# Altium PCB Zynq-Video-Board.PcbDoc (part 2 of 7)
Units mm, origin at the board's own origin, x right, y up, seen from the top; angles counter-clockwise.
Board outline 140 x 100.79 mm, 4 copper layers (Top Layer, Power Layer, GND Layer, Bottom Layer), stack 1.536 mm thick; 231 components, 238 nets, 1116 pads, 595 vias.
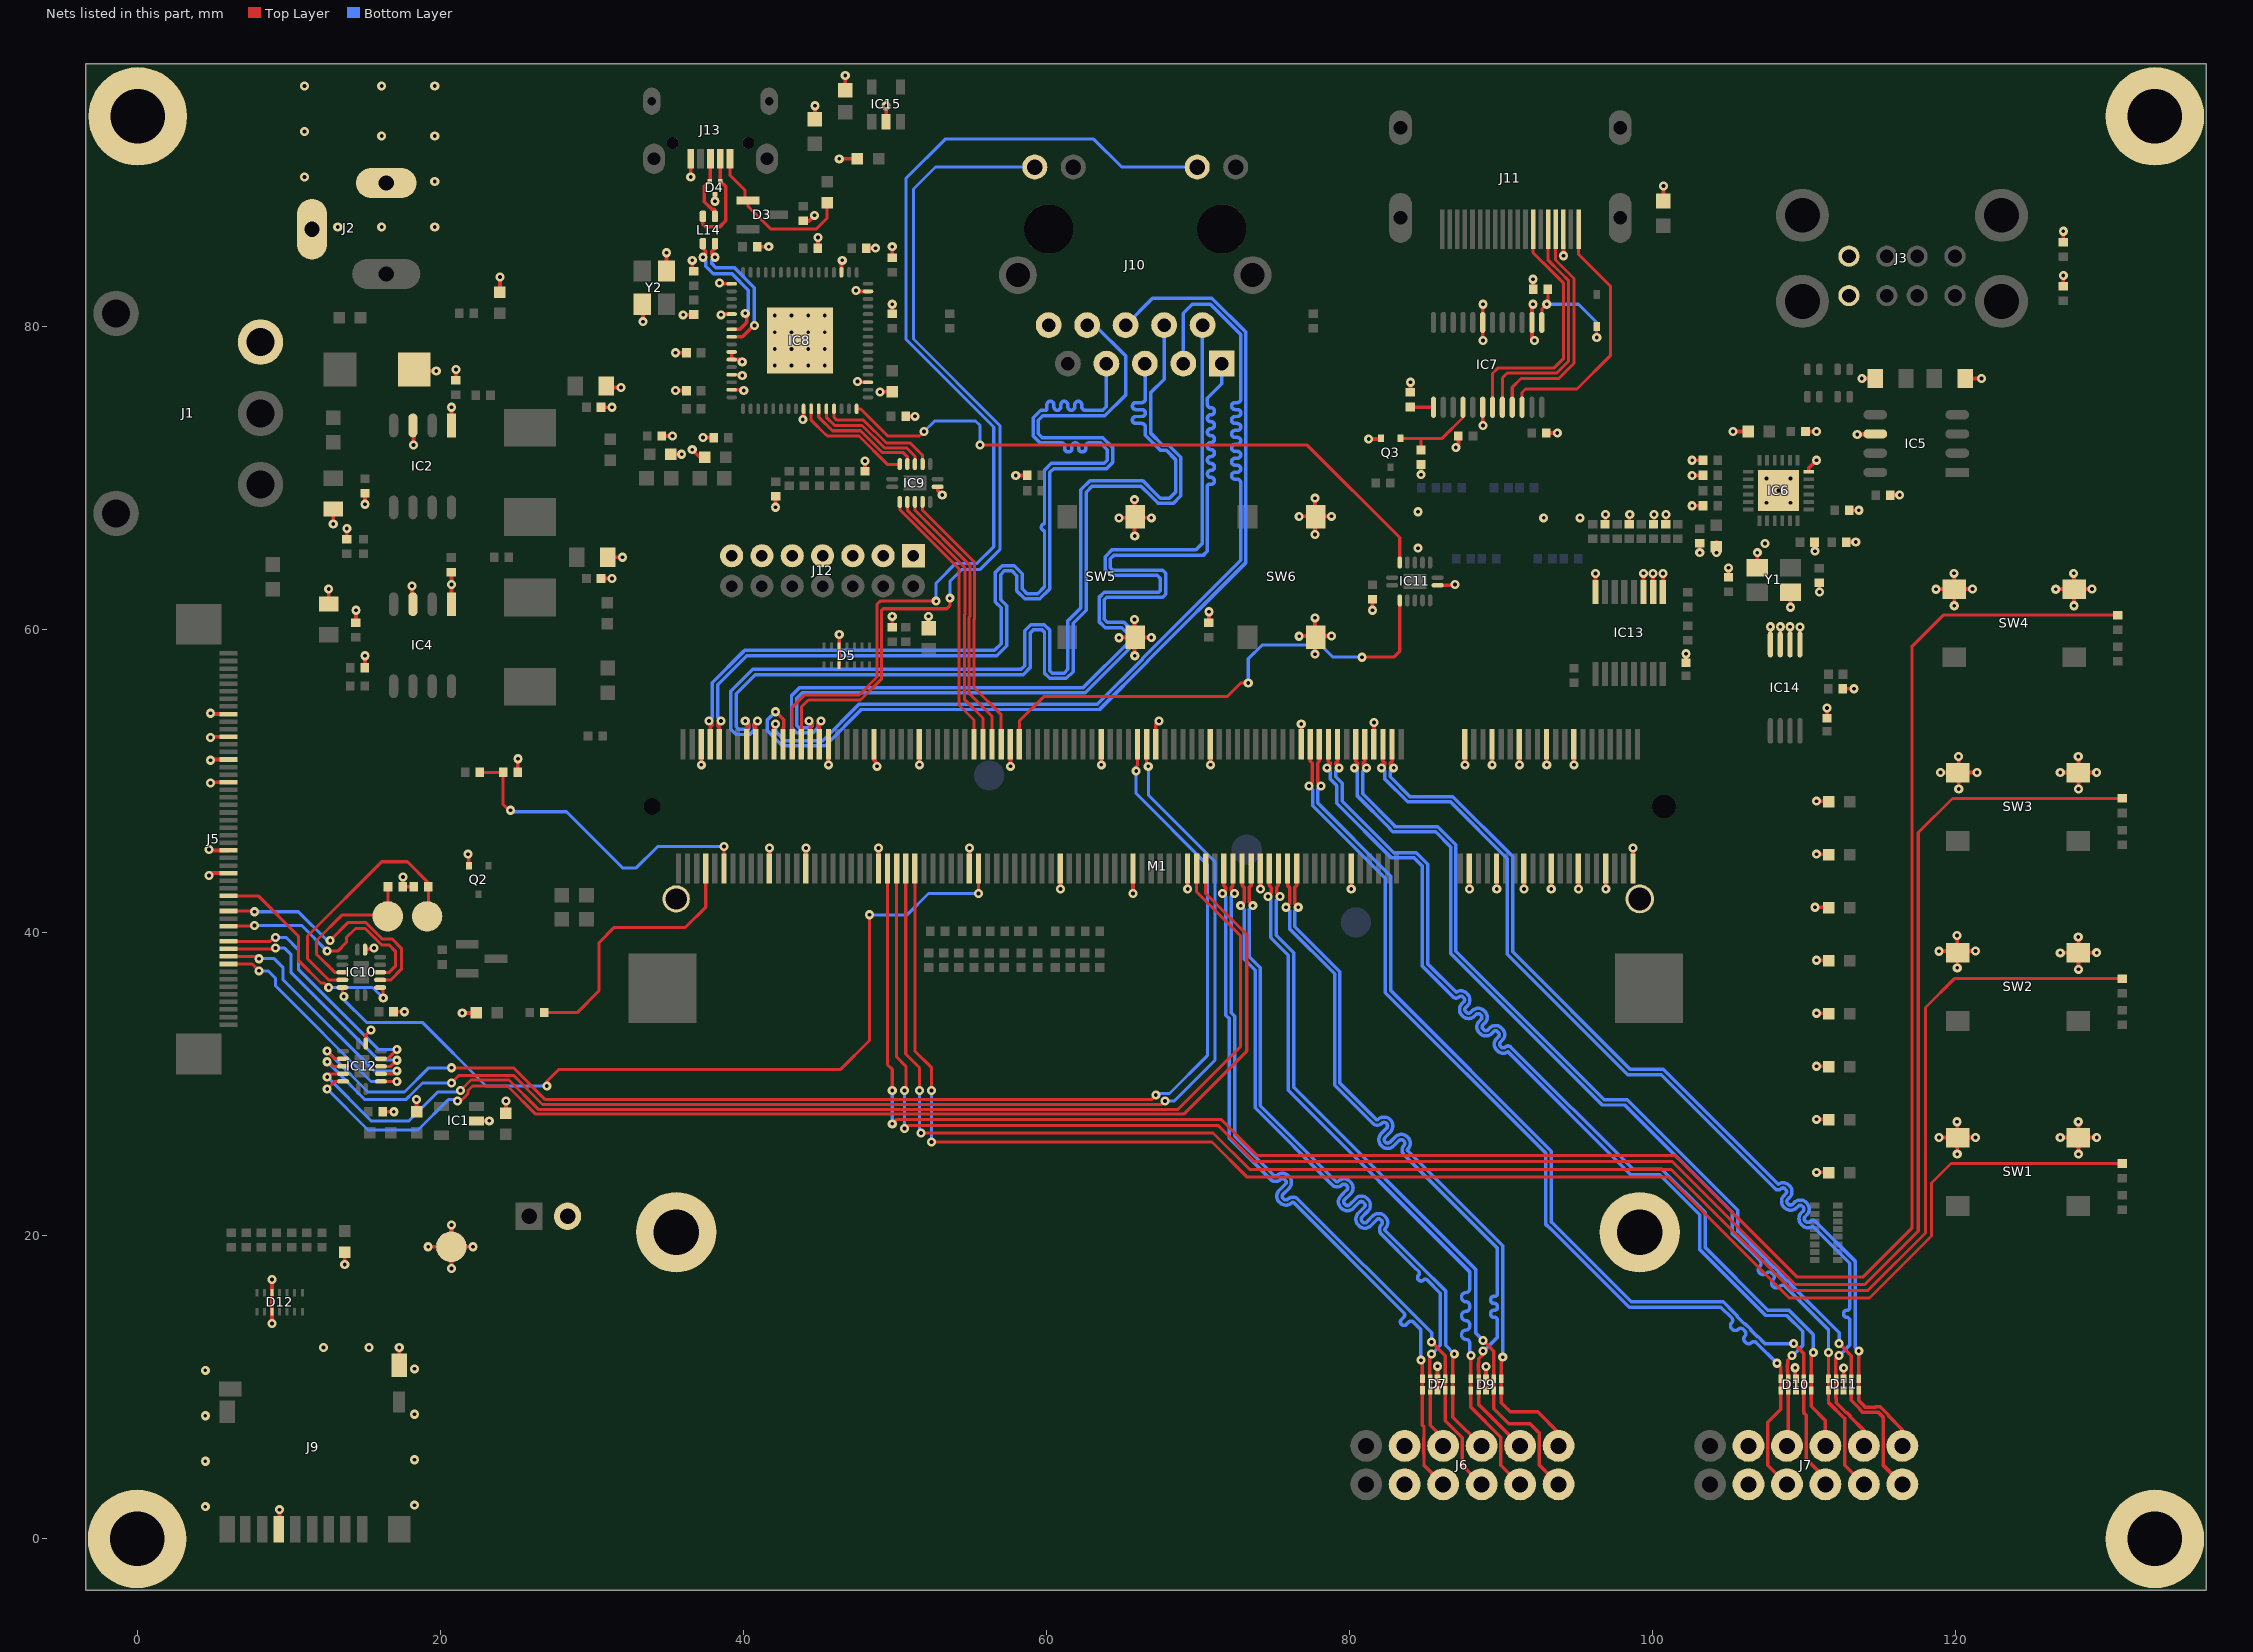
[diagram p4: the nets of this part, all layers, seen from the top]

## Via types
v1: diameter 0.6, hole 0.25, Top Layer to Bottom Layer, tented both sides, 578 vias
v2: diameter 0.6, hole 0.25, Top Layer to Bottom Layer, 16 vias
v3: diameter 0.8, hole 0.35, Top Layer to Bottom Layer, tented both sides, 1 vias

## Nets (pads, with @x,y where several pads share a name; then routed paths per layer and width w, separated by ;. In a path a pad name is that pad's centre, name@x,y a point inside that pad or via, vN(x,y) a via of type N, cw(c..) or ccw(c..) an arc to the next point about the centre after c; other vN are vias at no path point) (continued)
5V0_USB: D3.1 DBG.A J13.1 | length 10.9
  Top Layer w0.2: J13.1@39.05,91 J13.1@39.15,90.9 ; J13.1@39.15,91.1 J13.1@39.15,90.9 ; D3.1@40.135,88.3 40.135,89.015 39.15,90 J13.1@39.15,90.9 ; D3.1@40.329,88.349 40.329,87.963 41.813,86.478 44.853,86.478 45.55,87.175 DBG.A@45.55,88.201
AUX_JTAG_RST: IC11.2 M1.125 | length 33.5
  Top Layer w0.2: M1.125@58.241,52.449 58.241,53.991 59.85,55.6 71.95,55.6 72.85,56.5 v1(73.35,56.5) ; v1(80.85,58.2) 82.95,58.2 83.35,58.6 IC11.2@83.35,61.95
  Bottom Layer w0.2: v1(73.35,56.5) 73.35,58.1 74.25,59 78.15,59 78.95,58.2 v1(80.85,58.2)
AUX_JTAG_RST_3V3: IC8.32 IC11.13 | length 42.8
  Top Layer w0.2: IC8.32@47.5,74.6 47.75,74.6 49.55,72.8 51.65,72.8 v1@52.05,73.2 ; v1(55.65,72.2) 57.95,72.2 77.25,72.2 83.35,66.1 IC11.13@83.35,64.45
  Bottom Layer w0.2: v1(51.95,73.1) 52.65,73.8 55.35,73.8 55.65,73.5 v1(55.65,72.2)
AUX_JTAG_TCK: IC9.2 M1.135 | length 18
  Top Layer w0.2: IC9.2@50.35,68.435 50.35,67.947 54.25,64.047 54.25,55.05 55.241,54.059 M1.135@55.241,52.449
AUX_JTAG_TCK_3V3: IC8.26 IC9.13 | length 7.8
  Top Layer w0.2: IC8.26@44.5,74.6 44.5,73.85 45.45,72.9 45.474,72.9 45.574,72.8 47.65,72.8 49.515,70.935 IC9.13@50.35,70.935
AUX_JTAG_TDI: IC9.3 M1.133 | length 18.1
  Top Layer w0.2: IC9.3@50.85,68.435 50.85,67.9 54.65,64.1 54.65,61.012 54.61,60.972 54.61,55.426 55.841,54.195 M1.133@55.841,52.449
AUX_JTAG_TDI_3V3: IC8.27 IC9.12 | length 8
  Top Layer w0.2: IC8.27@45,74.6 45,74.05 45.9,73.15 47.753,73.15 49.203,71.7 50.585,71.7 50.85,71.435 IC9.12@50.85,70.95 IC9.12@50.85,70.935
AUX_JTAG_TDO: IC9.4 M1.131 | length 18.1
  Top Layer w0.2: IC9.4@51.35,68.435 51.35,67.9 54.97,64.28 54.97,60.88 54.93,60.84 54.93,55.813 56.441,54.302 M1.131@56.441,52.449
AUX_JTAG_TDO_3V3: IC8.28 IC9.11 | length 8
  Top Layer w0.2: IC8.28@45.5,74.6 45.5,74.05 46.05,73.5 47.855,73.5 49.335,72.02 50.79,72.02 51.35,71.46 IC9.11@51.35,70.95 IC9.11@51.35,70.935
AUX_JTAG_TMS: IC9.5 M1.129 | length 18.2
  Top Layer w0.2: IC9.5@51.85,68.435 51.85,67.9 55.29,64.46 55.29,60.747 55.25,60.707 55.25,56.2 57.041,54.409 M1.129@57.041,52.449
AUX_JTAG_TMS_3V3: IC8.29 IC9.10 | length 8
  Top Layer w0.2: IC8.29@46,74.6 46,74.045 46.195,73.85 47.958,73.85 49.468,72.34 51.045,72.34 51.85,71.535 IC9.10@51.85,70.95 IC9.10@51.85,70.935
BOOT_MODE: M1.190 R7.2 R8.1 | length 22.1
  Top Layer w0.2: R7.2@22.63,50.6 R8.1@24.17,50.6 24.17,48.48 v1@24.65,48 ; M1.190@38.741,44.249 38.741,45.691 v1(38.75,45.7)
  Bottom Layer w0.2: v1@24.65,48 28.35,48 32.05,44.3 32.95,44.3 34.35,45.7 v1(38.75,45.7) v1@38.85,45.7
  other v1: 24.65,48.1
BTN1: M1.148 R55.1 | length 107
  Top Layer w0.2: M1.148@51.341,44.249 51.341,32.209 52.45,31.1 v1(52.45,29.6) ; v1@52.65,26.2 70.95,26.2 73.25,23.9 101.05,23.9 109.05,15.9 114.35,15.9 118.45,20 118.45,23.5 119.73,24.78 R55.1@131.05,24.78
  Bottom Layer w0.2: v1(52.45,29.6) 52.45,26.4 v1@52.65,26.2
  other v1: 52.45,26.2
BTN2: M1.154 R56.1 | length 142.9
  Top Layer w0.2: M1.154@49.541,44.249 49.541,31.309 49.85,31 v1(49.85,29.6) ; v1(49.85,27.4) 50.15,27.7 71.55,27.7 73.95,25.3 101.55,25.3 109.55,17.3 113.95,17.3 117.15,20.5 117.15,58.9 119.23,60.98 R56.1@130.75,60.98
  Bottom Layer w0.2: v1(49.85,27.4) v1(49.85,29.6)
BTN3: M1.150 R57.1 | length 118.7
  Top Layer w0.2: M1.150@50.741,44.249 50.741,32.009 51.65,31.1 v1(51.65,29.6) ; v1(51.75,26.8) 71.025,26.8 73.425,24.4 101.25,24.4 109.25,16.4 114.25,16.4 118.05,20.2 118.05,35.075 119.955,36.98 R57.1@131.05,36.98
  Bottom Layer w0.2: v1(51.65,29.6) 51.65,26.9 v1(51.75,26.8)
BTN4: M1.152 R58.1 | length 131
  Top Layer w0.2: M1.152@50.141,44.249 50.141,31.809 50.75,31.2 50.75,29.7 v1(50.65,29.6) ; v1(50.65,27.1) 50.85,27.3 71.35,27.3 73.75,24.9 101.35,24.9 109.45,16.8 114.05,16.8 117.575,20.325 117.575,46.625 119.83,48.88 R58.1@131.05,48.88
  Bottom Layer w0.2: v1(50.65,27.1) v1(50.65,29.6)
CAM1_PWDN: IC10.12 R51.2 TP1.1 | length 17.2
  Top Layer w0.2: IC10.12@13.55,36.9 12.65,36.9 11.25,38.3 11.25,39.8 16.15,44.7 17.85,44.7 19.23,43.32 R51.2@19.23,43.05 19.23,41.18 TP1.1@19.15,41.1
CAM1_PWDN_2V8: IC10.3 J5.16 | length 16.5
  Top Layer w0.2: J5.16@6.04,41.45 v1@7.8,41.45 ; v1(12.75,39.5) 13.95,40.7 15.081,40.7 16.181,39.6 16.85,39.6 17.45,39 17.45,37.6 16.75,36.9 IC10.3@16.05,36.9
  Bottom Layer w0.2: v1(7.75,41.4) 10.35,41.4 10.65,41.4 12.55,39.5 v1(12.75,39.5)
CAM1_SCL: IC12.11 M1.97 | length 86.1
  Top Layer w0.2: v1(12.55,31.5) 12.65,31.5 12.95,31.2 IC12.11@13.6,31.2 ; v1(20.75,30.1) 21.25,30.6 24.85,30.6 26.77,28.68 67.63,28.68 v1(67.85,28.9) ; M1.97@66.641,52.449 66.641,51.109 v1(66.75,51)
  Bottom Layer w0.2: v1(12.55,31.5) 12.557,31.5 13.05,31.007 13.05,31 15.05,29 17.743,29 18.243,29.5 18.25,29.5 18.85,30.1 v1@20.65,30.1 ; v1(66.75,51) 66.75,49.1 71.15,44.7 71.15,31.6 68.45,28.9 v1(67.85,28.9)
CAM1_SCL_2V8: IC12.4 J5.11 | length 16.1
  Top Layer w0.2: J5.11@6.04,38.95 9.1,38.95 v1(9.15,39) ; IC12.4@16.1,31.2 16.743,31.2 17.143,31.6 v1(17.15,31.6)
  Bottom Layer w0.2: v1(9.15,39) 9.75,39 10.15,38.6 10.15,37.4 15.95,31.6 v1(17.15,31.6)
CAM1_SDA: IC12.10 M1.99 | length 85.6
  Top Layer w0.2: v1(12.55,32.2) 12.557,32.2 13.057,31.7 IC12.10@13.6,31.7 ; v1(20.75,31.1) 24.85,31.1 26.95,29 66.95,29 v1(67.25,29.3) ; v1@65.95,51 66.041,51.091 M1.99@66.041,52.449
  Bottom Layer w0.2: v1(12.55,32.2) 12.557,32.2 13.05,31.707 13.05,31.7 15.25,29.5 17.65,29.5 19.25,31.1 v1@20.65,31.1 ; v1@65.95,51 65.95,49.2 70.65,44.5 70.65,31.9 68.15,29.4 67.35,29.4 v1(67.25,29.3)
  other v1: 65.95,50.7
CAM1_SDA_2V8: IC12.5 J5.12 | length 16.3
  Top Layer w0.2: J5.12@6.04,39.45 8.8,39.45 9.05,39.7 v1(9.15,39.7) ; IC12.5@16.1,31.7 16.543,31.7 17.143,32.3 v1(17.15,32.3)
  Bottom Layer w0.2: v1(9.15,39.7) 9.85,39.7 10.65,38.9 10.65,37.6 15.95,32.3 v1(17.15,32.3)
CAM2_PWDN: IC10.11 R78.2 TP4.1 | length 10.5
  Top Layer w0.2: IC10.11@13.55,37.4 13.05,37.4 11.85,38.6 11.85,39.5 13.55,41.2 16.45,41.2 TP4.1@16.55,41.1 16.57,41.12 R78.2@16.57,43.05
CAM2_PWDN_2V8: IC10.4 J5.14 | length 15.4
  Top Layer w0.2: J5.14@6.04,40.45 7.8,40.45 v1@7.85,40.5 ; v1(12.55,38.8) 13.25,38.8 13.82,39.37 13.82,39.7 14.42,40.3 15.057,40.3 16.15,39.207 16.15,39.2 16.65,39.2 17.05,38.8 17.05,37.8 16.65,37.4 IC10.4@16.05,37.4
  Bottom Layer w0.2: v1(7.75,40.5) 10.85,40.5 v1(12.55,38.8)
CAM2_SCL: IC12.13 M1.84 | length 80.2
  Top Layer w0.2: v1(12.55,29.7) 13.05,30.2 IC12.13@13.6,30.2 ; v1(21.15,28.9) 21.357,28.9 21.85,29.393 21.85,29.6 22.15,29.9 24.45,29.9 26.31,28.04 69.09,28.04 73.25,32.2 73.25,39.9 70.541,42.609 M1.84@70.541,44.249
  Bottom Layer w0.2: v1(12.55,29.7) 15.25,27 18.55,27 20.55,29 v1@21.25,29
CAM2_SCL_2V8: IC12.2 J5.9 | length 15.7
  Top Layer w0.2: J5.9@6.04,37.95 7.6,37.95 v1(8.05,37.5) ; IC12.2@16.1,30.2 v1(17.15,30.2)
  Bottom Layer w0.2: v1(8.05,37.5) 8.65,37.5 9.15,37 9.15,36.5 15.45,30.2 v1(17.15,30.2)
CAM2_SDA: IC12.12 M1.86 | length 78.8
  Top Layer w0.2: v1@12.65,30.7 IC12.12@13.6,30.7 ; v1(21.35,29.6) 22.05,30.3 24.55,30.3 26.49,28.36 68.71,28.36 72.85,32.5 72.85,39.8 69.941,42.709 M1.86@69.941,44.249
  Bottom Layer w0.2: v1(12.55,30.5) 15.45,27.6 17.95,27.6 19.85,29.5 v1@21.15,29.5
CAM2_SDA_2V8: IC12.3 J5.10 | length 15.8
  Top Layer w0.2: J5.10@6.04,38.45 7.9,38.45 v1(8.05,38.3) ; IC12.3@16.1,30.7 16.95,30.7 v1(17.15,30.9)
  Bottom Layer w0.2: v1(8.05,38.3) 9.05,38.3 9.65,37.7 9.65,36.9 10.35,36.2 15.65,30.9 v1(17.15,30.9)
CAM_RST: IC10.13 M1.134 | length 57.1
  Top Layer w0.2: IC10.13@13.55,36.4 13.55,35.9 v1(13.65,35.8) ; v1(27.05,29.9) 27.05,30.2 27.85,31 46.45,31 48.35,32.9 v1(48.35,41.2) ; M1.134@55.541,44.249 55.55,44.24 v1(55.55,42.6)
  Bottom Layer w0.2: v1(13.65,35.8) 13.65,35.593 15.143,34.1 18.829,34.1 23.029,29.9 v1(27.05,29.9) ; v1(48.35,41.2) 50.85,41.2 52.25,42.6 v1(55.55,42.6)
CAM_RST_2V8: IC10.2 J5.18 | length 14.7
  Top Layer w0.2: J5.18@6.04,42.45 8,42.45 10.65,39.8 10.65,38.2 12.15,36.7 12.35,36.7 v1(12.65,36.4) ; IC10.2@16.05,36.4 16.25,36.2 v1(16.25,35.7)
  Bottom Layer w0.2: v1(12.65,36.4) 15.55,36.4 v1(16.25,35.7)
CN_B1_N: D7.1 J6.10 M1.80 | length 49.5
  Top Layer w0.23: v1(71.65,42.6) 71.875,42.825 71.875,43 71.741,43.134 M1.80@71.741,44.249 ; v1(84.75,11.8) 84.85,11.7 D7.1@84.85,10.585 D7.1@84.85,9.815 84.85,7.5 84.95,7.4 84.95,6.669 84.945,6.664 84.945,5.616 84.95,5.611 84.95,4.86 J6.10@86.21,3.6
  Bottom Layer w0.23: v1(71.65,42.6) 71.875,42.375 71.875,34.58 72.1,34.355 72.1,26.455 74.821,23.734 ccw(c75.147,24.059) 75.473,23.734 cw(c75.606,23.6) 75.74,23.734 75.798,23.676 cw(c75.664,23.542) 75.853,23.542 cw(c75.664,23.542) 75.798,23.409 75.394,23.005 ccw(c75.775,22.623) 75.394,22.242 75.451,22.184 ccw(c75.833,22.566) 76.214,22.184 cw(c76.292,22.106) 76.371,22.184 83.455,15.1 83.618,14.937 cw(c83.472,14.79) 83.618,14.644 83.451,14.477 ccw(c83.598,14.331) 83.451,14.184 83.484,14.152 ccw(c83.63,14.298) 83.777,14.152 83.944,14.319 cw(c84.09,14.172) 84.236,14.319 84.75,13.805 v1(84.75,11.8)
CN_B1_P: D7.4 J6.9 M1.78 | length 49.5
  Top Layer w0.23: M1.78@72.341,44.249 72.341,43.134 72.225,43.018 72.225,42.825 v1(72.45,42.6) ; v1(85.45,13) 86.35,12.1 86.35,11.628 86.365,11.613 86.365,11.187 86.35,11.172 D7.4@86.35,10.585 D7.4@86.35,9.815 86.35,7.8 87.47,6.68 87.47,6.669 87.475,6.664 87.475,4.875 J6.9@88.75,3.6
  Bottom Layer w0.23: v1(72.45,42.6) 72.225,42.375 72.225,34.725 72.45,34.5 72.45,26.6 75.069,23.981 ccw(c75.147,24.059) 75.225,23.981 cw(c75.606,23.6) 75.988,23.981 76.045,23.924 cw(c75.664,23.542) 76.203,23.542 cw(c75.664,23.542) 76.045,23.161 75.641,22.757 ccw(c75.775,22.623) 75.641,22.489 75.699,22.432 ccw(c75.833,22.566) 75.967,22.432 cw(c76.292,22.106) 76.618,22.432 85.45,13.6 v1(85.45,13)
CN_B2_N: D7.2 J6.4 M1.76 | length 49.5
  Top Layer w0.23: v1(72.85,41.8) 73.075,42.025 73.075,43 72.941,43.134 M1.76@72.941,44.249 ; v1(85.45,12.2) 85.34,12.09 85.34,11.618 85.335,11.613 85.335,11.187 85.34,11.182 85.34,10.595 D7.2@85.35,10.585 D7.2@85.35,9.815 85.35,7.5 86.21,6.64 J6.4@86.21,6.14
  Bottom Layer w0.23: v1(72.85,41.8) 73.075,41.575 73.075,38.275 73.8,37.55 73.8,28.45 78.884,23.366 ccw(c79.21,23.691) 79.536,23.366 cw(c79.67,23.232) 79.804,23.365 79.861,23.308 cw(c79.727,23.174) 79.917,23.174 cw(c79.727,23.174) 79.861,23.04 79.457,22.636 ccw(c79.839,22.255) 79.457,21.874 79.515,21.816 ccw(c79.896,22.198) 80.277,21.816 80.681,22.22 cw(c80.815,22.086) 80.949,22.22 81.007,22.163 cw(c80.873,22.029) 81.062,22.029 cw(c80.873,22.029) 81.007,21.895 80.603,21.491 ccw(c80.984,21.109) 80.603,20.728 80.66,20.671 ccw(c81.042,21.052) 81.423,20.671 81.827,21.074 cw(c81.961,20.94) 82.095,21.074 82.152,21.017 cw(c82.018,20.883) 82.208,20.883 cw(c82.018,20.883) 82.152,20.749 ccw(c82.478,20.424) 82.152,20.098 84.35,17.9 84.592,17.658 cw(c84.472,17.538) 84.592,17.418 ccw(c84.755,17.255) 84.592,17.092 ccw(c84.755,17.255) 84.917,17.092 cw(c85.037,16.972) 85.158,17.092 86.025,16.225 86.025,12.775 v1(85.45,12.2)
CN_B2_P: D7.5 J6.3 M1.74 | length 49.5
  Top Layer w0.23: M1.74@73.541,44.249 73.541,43.134 73.425,43.018 73.425,42.025 v1(73.65,41.8) ; v1(86.95,12.2) 86.85,12.1 D7.5@86.85,10.585 D7.5@86.85,9.815 86.85,8.04 J6.3@88.75,6.14
  Bottom Layer w0.23: v1(73.65,41.8) 73.425,41.575 73.425,38.42 74.15,37.695 74.15,28.595 79.132,23.613 ccw(c79.21,23.691) 79.288,23.613 cw(c79.67,23.232) 80.051,23.613 80.109,23.556 cw(c79.727,23.174) 80.267,23.174 cw(c79.727,23.174) 80.109,22.793 79.705,22.389 ccw(c79.839,22.255) 79.705,22.121 79.762,22.064 ccw(c79.896,22.198) 80.03,22.064 80.434,22.467 cw(c80.815,22.086) 81.197,22.467 81.254,22.41 cw(c80.873,22.029) 81.412,22.029 cw(c80.873,22.029) 81.254,21.647 80.85,21.243 ccw(c80.984,21.109) 80.85,20.975 80.908,20.918 ccw(c81.042,21.052) 81.176,20.918 81.579,21.322 cw(c81.961,20.94) 82.342,21.322 82.4,21.265 cw(c82.018,20.883) 82.558,20.883 cw(c82.018,20.883) 82.4,20.502 ccw(c82.478,20.424) 82.4,20.345 84.634,18.111 86.375,16.37 86.375,12.775 v1(86.95,12.2)
CN_B3_N: D9.1 J6.8 M1.70 | length 49.5
  Top Layer w0.23: v1(74.65,42.4) 74.875,42.625 74.875,43 74.741,43.134 M1.70@74.741,44.249 ; v1(88.05,12.1) 88.05,11.9 D9.1@88.05,10.57 D9.1@88.05,9.8 88.05,8.7 90.025,6.725 90.025,4.865 J6.8@91.29,3.6
  Bottom Layer w0.22: 87.956,12.95 ccw(c87.736,12.95) 87.736,13.17 cw(c87.736,13.48) 87.426,13.48 cw(c87.736,13.48) 87.736,13.79 ccw(c87.736,14.01) 87.956,14.01 ; 87.956,14.19 ccw(c87.736,14.19) 87.736,14.41 cw(c87.736,14.72) 87.426,14.72 cw(c87.736,14.72) 87.736,15.03 ccw(c87.736,15.25) 87.956,15.25 ; 87.956,15.43 ccw(c87.736,15.43) 87.736,15.65 cw(c87.736,15.96) 87.426,15.96 cw(c87.736,15.96) 87.736,16.27 ccw(c87.736,16.49) 87.956,16.49
  Bottom Layer w0.23: v1(74.65,42.4) 74.85,42.2 74.85,39.7 74.86,39.69 74.86,39.648 75.988,38.52 76,38.52 76,29.608 87.956,17.651 87.956,16.49 ; 87.956,12.95 87.956,12.194 v1(88.05,12.1) ; 87.956,14.01 87.956,14.19 ; 87.956,15.25 87.956,15.43
CN_B3_P: D9.4 J6.7 M1.68 | length 49.5
  Top Layer w0.23: M1.68@75.341,44.249 75.341,43.134 75.225,43.018 75.225,42.625 v1(75.45,42.4) ; v1(88.85,13.1) 89.035,12.915 89.063,12.915 89.365,12.613 89.365,12.585 89.56,12.39 89.56,11.603 89.565,11.598 89.565,11.172 89.56,11.167 89.56,9.81 D9.4@89.55,9.8 89.55,8.6 90.55,7.6 91.95,7.6 92.555,6.995 92.555,5.616 92.55,5.611 92.55,4.88 J6.7@93.83,3.6
  Bottom Layer w0.23: v1(75.45,42.4) 75.2,42.15 75.2,39.845 75.231,39.814 76.175,38.87 76.35,38.695 76.35,29.8 76.374,29.776 88.35,17.8 88.35,13.6 v1(88.85,13.1)
CN_B4_N: D9.2 J6.2 M1.66 | length 49.4
  Top Layer w0.23: v1(75.85,41.7) 76.075,41.925 76.075,43 75.941,43.134 M1.66@75.941,44.249 ; v1(88.85,12.4) 88.85,12.179 88.565,11.894 88.565,11.887 88.55,11.872 88.55,11.613 88.535,11.598 88.535,11.172 88.55,11.157 D9.2@88.55,10.57 D9.2@88.55,9.8 88.55,8.88 J6.2@91.29,6.14
  Bottom Layer w0.23: v1(75.85,41.7) 76.075,41.475 76.075,40.275 79.05,37.3 79.05,29.95 81.57,27.43 ccw(c81.86,27.72) 82.15,27.43 cw(c82.313,27.267) 82.475,27.43 cw(c82.313,27.267) 82.543,27.267 cw(c82.313,27.267) 82.475,27.105 82.143,26.772 ccw(c82.553,26.362) 82.143,25.952 ccw(c82.553,26.362) 82.963,25.952 83.296,26.284 cw(c83.458,26.122) 83.621,26.284 cw(c83.458,26.122) 83.688,26.122 cw(c83.458,26.122) 83.621,25.959 ccw(c83.911,25.669) 83.621,25.379 89.8,19.2 89.8,16.217 cw(c89.593,16.217) 89.593,16.01 89.557,16.01 ccw(c89.557,15.803) 89.35,15.803 89.35,15.757 ccw(c89.557,15.757) 89.557,15.55 89.593,15.55 cw(c89.593,15.343) 89.8,15.343 89.8,15.297 cw(c89.593,15.297) 89.593,15.09 89.557,15.09 ccw(c89.557,14.883) 89.35,14.883 89.35,14.837 ccw(c89.557,14.837) 89.557,14.63 89.593,14.63 cw(c89.593,14.423) 89.8,14.423 89.8,13.322 88.878,12.4 v1(88.85,12.4)
CN_B4_P: D9.5 J6.1 M1.64 | length 49.3
  Top Layer w0.23: M1.64@76.541,44.249 76.541,43.134 76.425,43.018 76.425,41.925 v1(76.65,41.7) ; v1(90.15,12) 90.05,11.9 D9.5@90.05,10.57 D9.5@90.05,9.8 90.05,9 90.65,8.4 92.45,8.4 93.83,7.02 J6.1@93.83,6.14
  Bottom Layer w0.23: v1(76.65,41.7) 76.425,41.475 76.425,40.42 79.4,37.445 79.4,30.095 81.818,27.677 ccw(c81.86,27.72) 81.903,27.677 cw(c82.313,27.267) 82.723,27.677 cw(c82.313,27.267) 82.893,27.267 cw(c82.313,27.267) 82.723,26.857 82.39,26.525 ccw(c82.553,26.362) 82.39,26.199 ccw(c82.553,26.362) 82.716,26.199 83.048,26.532 cw(c83.458,26.122) 83.868,26.532 cw(c83.458,26.122) 84.038,26.122 cw(c83.458,26.122) 83.868,25.712 ccw(c83.911,25.669) 83.868,25.627 90.15,19.345 v1(90.15,12)
CN_C1_N: D10.1 J7.10 M1.61 | length 67.5
  Top Layer w0.23: v1(77.35,49.7) 77.575,49.925 77.575,51.2 77.441,51.334 M1.61@77.441,52.449 ; v1(108.25,11.6) 108.502,11.348 D10.1@108.502,10.57 D10.1@108.502,9.8 108.502,8.552 107.645,7.695 107.645,4.865 J7.10@108.91,3.6
  Bottom Layer w0.22: 105.259,13.884 cw(c105.457,14.081) 105.259,14.278 ccw(c105.103,14.434) 105.259,14.591 ; 105.303,13.84 ccw(c105.5,14.037) 105.698,13.84 cw(c105.854,13.683) 106.01,13.84 ; 106.136,13.007 cw(c106.333,13.204) 106.136,13.401 ccw(c105.98,13.558) 106.136,13.714 ; 106.18,12.963 ccw(c106.377,13.16) 106.575,12.963 cw(c106.731,12.807) 106.887,12.963
  Bottom Layer w0.23: v1(77.35,49.7) 77.6,49.45 77.6,48.408 82.4,43.608 82.4,36.055 93,25.455 93,20.755 93.205,20.55 93.247,20.55 98.497,15.3 99.45,15.3 104.55,15.3 105.259,14.591 ; 105.259,13.884 105.303,13.84 ; 106.01,13.84 106.136,13.714 ; 106.136,13.007 106.18,12.963 ; 106.887,12.963 v1(108.25,11.6)
CN_C1_P: D10.4 J7.9 M1.59 | length 67.7
  Top Layer w0.23: M1.59@78.041,52.449 78.041,51.334 77.925,51.218 77.925,49.925 v1(78.15,49.7) ; v1(109.35,12.9) 110.002,12.248 D10.4@110.002,10.57 D10.4@110.002,9.8 110.002,8.348 110.175,8.175 110.175,5.275 111.45,4 J7.9@111.45,3.6
  Bottom Layer w0.23: v1(78.15,49.7) 77.95,49.5 77.95,48.553 82.75,43.753 82.75,36.2 93.35,25.6 93.35,20.9 93.392,20.9 98.642,15.65 104.695,15.65 105.429,14.916 105.432,14.916 105.508,14.839 105.511,14.842 105.636,14.717 105.636,14.666 106.086,14.217 106.137,14.217 106.262,14.092 106.259,14.088 106.385,13.963 106.388,13.966 106.513,13.841 106.513,13.79 106.963,13.34 107.014,13.34 107.139,13.215 107.136,13.212 107.212,13.135 107.212,13.133 107.445,12.9 v1(109.35,12.9)
CN_C2_N: D10.2 J7.4 M1.57 | length 66.2
  Top Layer w0.23: v1(78.55,50.9) 78.775,51.125 78.775,51.2 78.641,51.334 M1.57@78.641,52.449 ; J7.4@108.91,6.14 109.002,6.232 D10.2@109.002,9.8 D10.2@109.002,10.57 108.95,10.622 108.95,11.072 108.935,11.087 108.935,11.513 108.95,11.528 108.95,11.8 v1(109.25,12.1)
  Bottom Layer w0.23: v1(78.55,50.9) 78.775,50.675 78.775,50.155 79.2,49.73 79.2,48.555 82.805,44.95 84.3,44.95 84.85,44.4 84.85,37.805 86.881,35.774 ccw(c87.065,35.958) 87.249,35.774 cw(c87.383,35.64) 87.517,35.774 87.575,35.717 cw(c87.441,35.583) 87.63,35.583 cw(c87.441,35.583) 87.575,35.449 87.454,35.328 ccw(c87.835,34.946) 87.454,34.565 87.511,34.508 ccw(c87.892,34.889) 88.274,34.508 88.395,34.629 cw(c88.529,34.495) 88.663,34.629 88.72,34.571 cw(c88.586,34.437) 88.776,34.437 cw(c88.586,34.437) 88.72,34.303 88.599,34.182 ccw(c88.981,33.801) 88.599,33.419 88.656,33.362 ccw(c89.038,33.744) 89.419,33.362 89.54,33.483 cw(c89.674,33.349) 89.808,33.483 89.866,33.426 cw(c89.732,33.292) 89.921,33.292 cw(c89.732,33.292) 89.866,33.158 89.745,33.037 ccw(c90.126,32.655) 89.745,32.274 89.802,32.217 ccw(c90.183,32.598) 90.496,32.159 98.605,24.05 100.5,24.05 103.15,21.4 103.15,19.105 107.505,14.75 108.9,14.75 109.95,13.7 109.95,12.772 109.278,12.1 v1(109.25,12.1)
CN_C2_P: D10.5 J7.3 M1.55 | length 66.3
  Top Layer w0.23: M1.55@79.241,52.449 79.241,51.334 79.125,51.218 79.125,51.125 v1(79.35,50.9) ; v1(110.65,12.3) 110.502,12.152 D10.5@110.502,10.57 D10.5@110.502,9.8 110.502,8.748 111.45,7.8 J7.3@111.45,6.14